# Altium PCB PCB.PcbDoc (part 2 of 2)
Units mm, origin at the board's own origin, x right, y up, seen from the top; angles counter-clockwise.
Board outline 100.25 x 90.25 mm, 2 copper layers (Top Layer, Bottom Layer); 116 components, 89 nets, 397 pads, 858 vias.
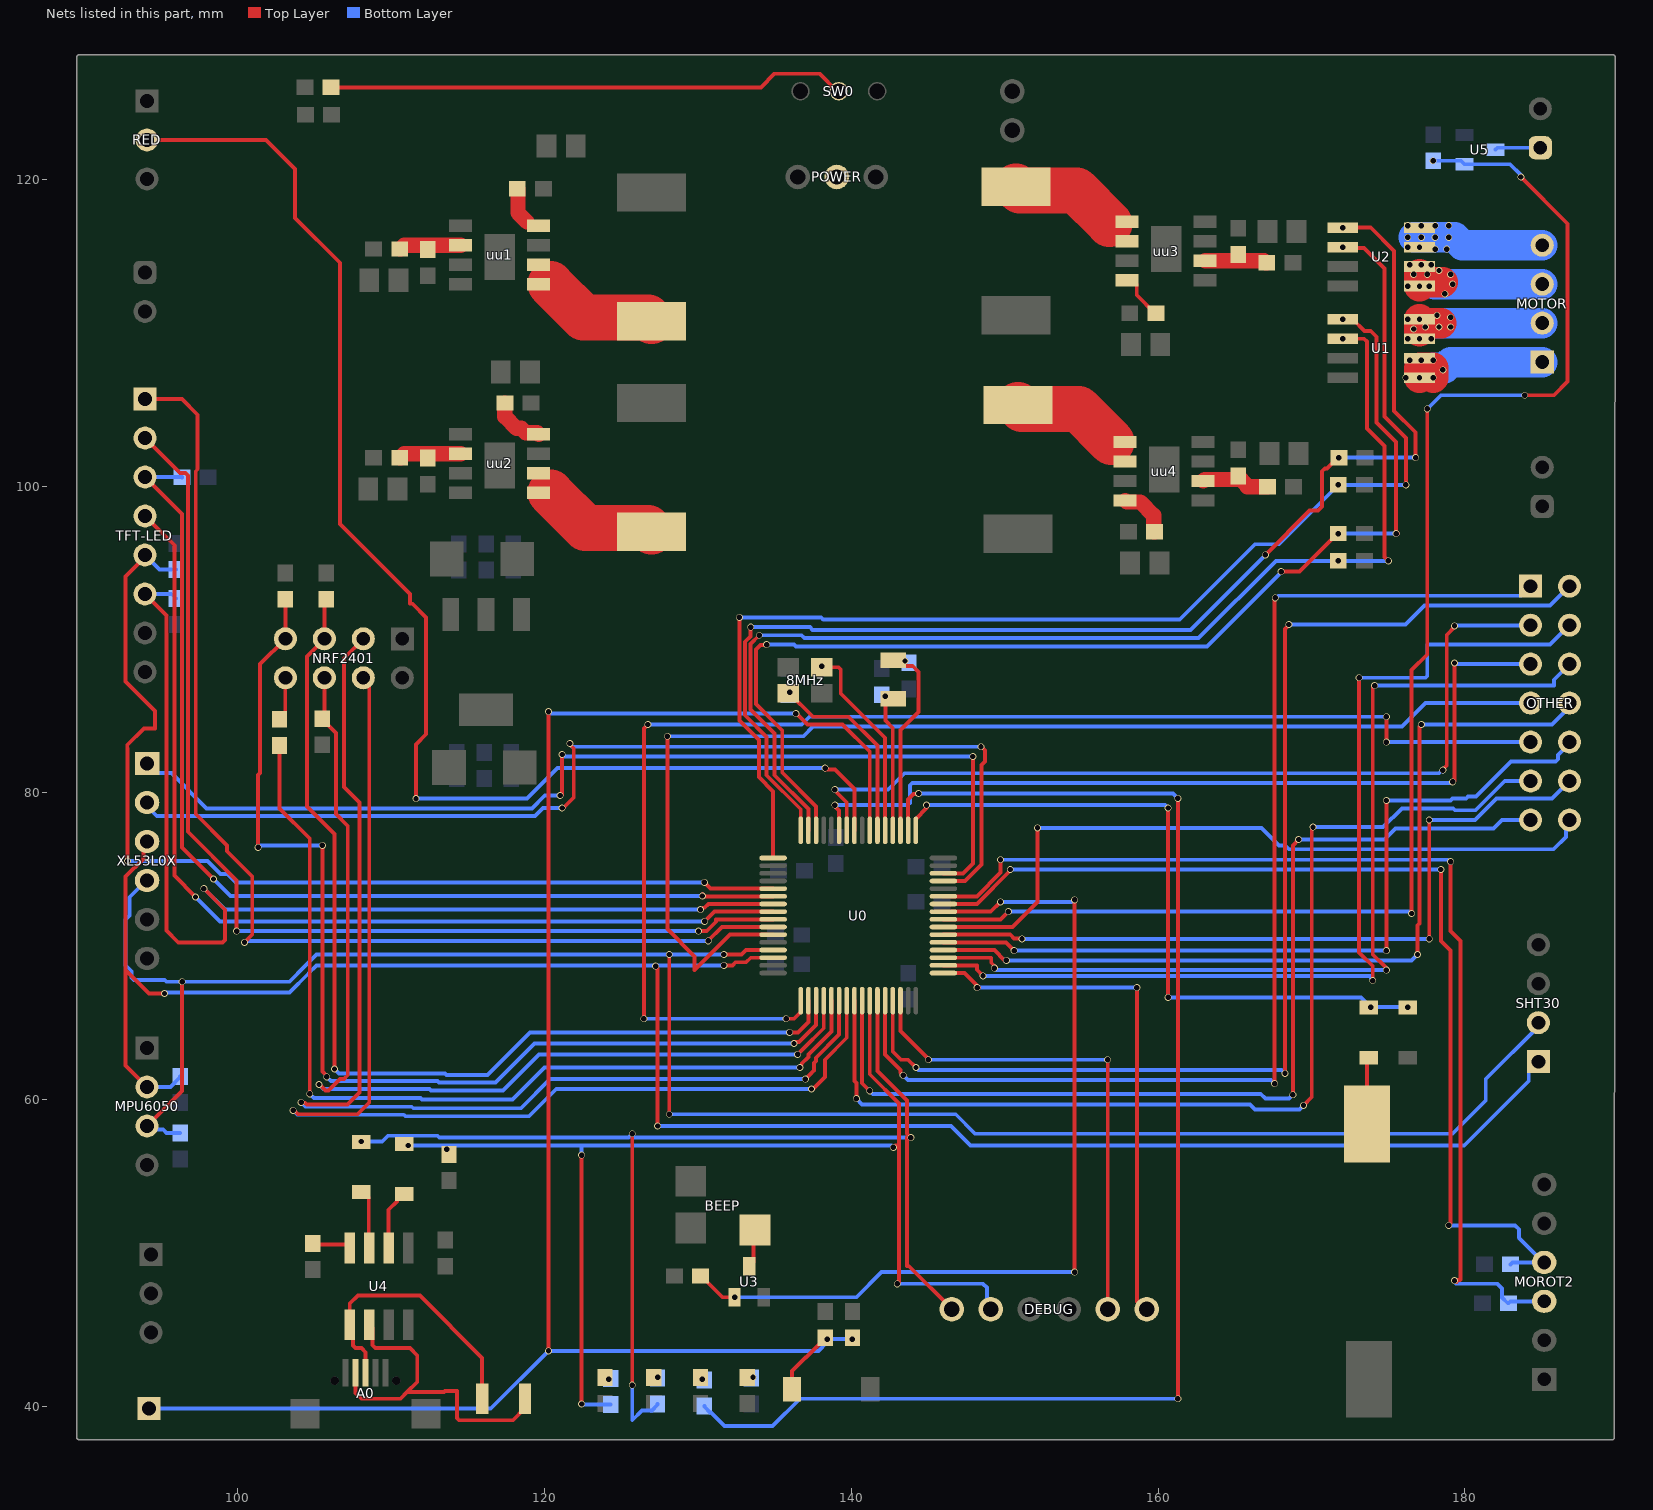
[diagram p2: the nets of this part, all layers, seen from the top]

## Via types
v1: diameter 0.45, hole 0.35, Top Layer to Bottom Layer, 852 vias
v2: diameter 3, hole 2.5, Top Layer to Bottom Layer, 4 vias
v3: diameter 2, hole 1.8, Top Layer to Bottom Layer, 2 vias

## Nets (pads, with @x,y where several pads share a name; then routed paths per layer and width w, separated by ;. In a path a pad name is that pad's centre, name@x,y a point inside that pad or via, vN(x,y) a via of type N, cw(c..) or ccw(c..) an arc to the next point about the centre after c; other vN are vias at no path point) (continued)
LED_0: CR3.2 U0.2 | length 91.2
  Top Layer w0.254: U0.2@143.712,77.559 143.712,79.577 144.058,79.923 144.359,79.923 v1@144.399,79.883 ; v1(161.29,40.513) v1(161.29,79.647)
  Bottom Layer w0.254: CR3.2@130.429,40.044 130.429,39.994 130.802,39.621 130.852,39.621 131.738,38.735 134.874,38.735 136.652,40.513 v1(161.29,40.513) ; v1(144.399,79.961) 160.976,79.961 v1(161.29,79.647)
motorA1: CR7.1 U0.14 U1.1 | length 74.5
  Top Layer w0.254: v1(134.493,89.662) 134.46,89.629 134.079,89.629 133.793,89.343 133.793,85.787 135.509,84.07 135.509,81.324 137.712,79.121 U0.14@137.712,77.559 ; v1(168.021,94.424) 169.216,94.424 171.693,96.901 v1(171.743,96.901) ; v1(172.038,110.871) 172.688,110.871 173.45,110.109 173.863,110.109 174.244,109.728 174.244,104.14 175.514,102.87 175.514,97.028 v1@175.641,96.901
  Bottom Layer w0.254: v1(134.493,89.662) 136.271,89.662 136.398,89.535 163.195,89.535 v1@168.084,94.424 ; v1(171.743,96.901) v1(175.514,96.901)
motorA2: CR8.1 U0.15 U1.2 | length 74.2
  Top Layer w0.254: v1(134.007,90.275) 133.433,89.702 133.433,85.427 135.001,83.86 135.001,81.153 137.212,78.942 U0.15@137.212,77.559 ; v1(172.038,109.601) 173.419,109.601 173.609,109.411 173.609,103.759 174.752,102.616 174.752,95.377 v1(175.006,95.123)
  Bottom Layer w0.254: v1(134.007,90.275) 136.757,90.275 136.948,90.085 162.645,90.085 167.684,95.123 v1(171.743,95.123) v1(175.006,95.123)
motorB1: CR9.2 U0.16 U2.1 | length 82.3
  Top Layer w0.254: v1(133.454,90.805) 133.43,90.781 133.43,90.199 133.079,89.848 133.079,85.063 134.493,83.649 134.493,81.153 136.712,78.934 U0.16@136.712,77.559 ; v1(166.994,95.515) 169.883,98.404 170.434,98.404 170.688,98.658 170.688,100.965 170.868,101.145 171.023,101.145 171.732,101.854 v1(171.782,101.854) ; v1(172.038,116.84) 173.863,116.84 175.387,115.316 175.387,104.902 176.784,103.505 v1(176.784,101.854)
  Bottom Layer w0.254: v1(133.454,90.805) 137.31,90.805 137.489,90.626 162.104,90.626 v1(166.994,95.515) ; v1(171.782,101.854) v1(176.784,101.854)
motorB2: CR10.2 U0.17 U2.2 | length 81.7
  Top Layer w0.254: v1(132.715,91.44) 132.715,84.709 133.985,83.439 133.985,81.026 134.912,80.099 U0.17@134.912,75.759 ; v1(172.038,115.57) 172.102,115.506 173.419,115.506 174.752,114.173 174.752,104.521 176.149,103.124 v1(176.149,100.076)
  Bottom Layer w0.254: v1(132.715,91.44) 138.049,91.44 138.176,91.313 161.417,91.313 166.306,96.203 167.869,96.203 v1(171.743,100.076) v1(176.149,100.076)
MPU6050_CLS: CR11.2 MPU6050.3 SHT30.2 U0.29 XL53L0X.4 | length 134.1
  Top Layer w0.254: MPU6050.3@94.107,58.293 96.393,60.579 v1(96.393,67.691) ; v1(128.143,59.055) v1(128.143,69.469) ; v1(131.699,69.469) 132.842,69.469 133.132,69.759 U0.29@134.912,69.759
  Bottom Layer w0.254: MPU6050.3@94.107,58.293 94.345,58.055 95.164,58.055 95.385,57.834 CR11.2@96.266,57.834 ; XL53L0X.4@94.107,74.295 94.057,74.295 92.964,73.202 92.964,72.009 92.71,71.755 92.71,68.759 93.091,68.378 93.091,67.967 93.24,67.818 95.25,67.818 95.377,67.691 v1(96.393,67.691) 103.381,67.691 103.938,68.248 103.938,68.251 105.156,69.469 v1(128.143,69.469) v1(131.699,69.469) ; v1(128.143,59.055) 146.812,59.055 148.082,57.785 179.197,57.785 181.356,59.944 181.356,61.341 184.785,64.77 SHT30.2@184.785,65.024
MPU6050_SDA: CR12.2 MPU6050.2 SHT30.1 U0.30 XL53L0X.3 | length 134.3
  Top Layer w0.254: MPU6050.2@94.107,60.833 92.71,62.23 92.71,68.453 ; XL53L0X.3@94.107,76.835 93.865,76.593 93.865,75.704 92.71,74.549 92.71,68.453 ; v1(95.25,66.929) 94.234,66.929 92.71,68.453 ; v1(127.254,68.707) 127.381,68.58 v1(127.381,58.293) ; v1(131.699,68.759) 132.259,68.759 132.461,68.961 133.156,68.961 133.454,69.259 U0.30@134.912,69.259
  Bottom Layer w0.254: MPU6050.2@94.107,60.833 95.632,60.833 96.266,61.467 CR12.2@96.266,61.517 ; v1@95.377,66.981 103.381,66.981 104.648,68.248 104.648,68.251 105.156,68.759 v1(131.699,68.759) ; v1(127.381,58.293) 146.496,58.293 147.766,57.023 179.959,57.023 184.162,61.226 184.162,61.861 SHT30.1@184.785,62.484
NetBEEP_2: BEEP.2 U3.3 | length 2.5
  Top Layer w0.254: U3.3@133.35,49.149 133.623,49.422 133.623,51.41 BEEP.2@133.731,51.518
Netbuttery_1: buttery.1 D2.1 | length 4.4
  Top Layer w0.254: buttery.1@173.609,58.42 173.609,62.611 D2.1@173.736,62.738
NetC16_2: C16.2 U4.8 | length 2.5
  Top Layer w0.254: C16.2@104.902,50.634 104.974,50.562 107.092,50.562 U4.8@107.315,50.339
NetCR3_1: CR3.1 LED1.2
  other v1: 130.302,41.783
NetCR4_1: "LED 2.2" CR4.1
  other v1: 133.604,41.91
NetCR5_1: CR5.1 LED4.2
  other v1: 127.381,41.91
NetCR6_1: "LED 3.2" CR6.1
  other v1: 124.206,41.783
NetCR20_1: CR20.1 NRF2401.8 | length 2.9
  Top Layer w0.254: CR20.1@102.743,84.797 103.116,85.17 103.116,87.495 NRF2401.8@103.124,87.503
NetD5_1: D5.1 U4.7 | length 3.9
  Top Layer w0.254: D5.1@108.077,53.975 108.232,53.975 108.56,53.647 108.56,50.364 U4.7@108.585,50.339
NetD6_2: D6.2 U4.6 | length 4
  Top Layer w0.254: U4.6@109.855,50.339 109.855,52.832 110.388,53.365 110.388,53.52 110.716,53.848 D6.2@110.871,53.848
NetL1_2: L1.2 uu1.1 uu1.2 | length 7.6
  Top Layer w3: 120.396,113.157 122.559,110.994 126.75,110.994 L1.2@127,110.744
NetL2_2: L2.2 uu2.1 uu2.2 | length 7.7
  Top Layer w3: 120.396,99.568 122.686,97.278 126.75,97.278 L2.2@127,97.028
NetL3_2: L3.2 uu3.1 uu3.2 | length 7.1
  Top Layer w3: L3.2@150.749,119.507 150.999,119.257 154.682,119.257 156.845,117.094
NetL4_2: L4.2 uu4.1 uu4.2 | length 7.1
  Top Layer w3: L4.2@150.876,105.283 151.126,105.033 154.809,105.033 156.972,102.87
NetLIGHT_1: LIGHT.1 U5.3 | length 3
  Bottom Layer w0.254: U5.3@181.991,121.92 182.118,122.047 LIGHT.1@184.912,122.047
NetMOTOR_1: MOTOR.1 U1.5 U1.6 | length 9.4
  Top Layer w2: v1(177.038,107.061) 177.038,107.696 177.927,107.696 v1(177.927,107.061)
  Bottom Layer w2: 177.927,107.696 178.689,107.696 179.07,108.077 MOTOR.1@185.039,108.077
  other v1: 176.149,107.061 178.562,107.569 176.403,108.204 177.165,108.204 177.927,108.204
NetMOTOR_2: MOTOR.2 U1.7 U1.8 | length 10
  Top Layer w2: v1(177.038,110.871) 177.038,110.109 177.546,110.617 178.435,110.617
  Bottom Layer w2: 177.419,110.617 MOTOR.2@185.039,110.617
  other v1: 176.276,109.601 177.038,109.601 177.8,109.601 176.657,110.236 177.419,110.363 178.308,110.363 179.07,110.363 176.276,110.871 179.07,110.998 178.181,111.125
NetMOTOR_3: MOTOR.3 U2.5 U2.6 | length 9.5
  Top Layer w2: v1(177.038,113.03) 177.038,113.792 177.546,113.284 178.562,113.284
  Bottom Layer w2: 178.054,113.157 MOTOR.3@185.039,113.157
  other v1: 178.689,112.522 176.276,113.03 177.673,113.03 179.197,113.157 176.657,113.792 177.546,113.792 179.07,113.792 178.308,114.046 176.403,114.427 177.165,114.427 177.8,114.427
NetMOTOR_4: MOTOR.4 U2.7 U2.8 | length 8.6
  Bottom Layer w2: 176.657,116.205 179.324,116.205 179.832,115.697 MOTOR.4@185.039,115.697
  other v1: 178.054,115.443 178.816,115.443 176.276,115.57 177.038,115.57 176.276,116.205 177.165,116.205 178.054,116.205 178.943,116.205 176.276,116.967 177.165,116.967 178.054,116.967 178.943,116.967
NetPOWER_2: POWER.2 R26.2 SW0.2 | length 33.9
  Top Layer w0.254: R26.2@106.094,125.984 134.112,125.984 135.001,126.873 137.922,126.873 139.065,125.73 SW0.2@139.192,125.73
NetR28_2: R28.2 uu1.4 | length 2.5
  Top Layer w1: R28.2@118.237,119.38 118.287,119.38 118.287,117.806 118.872,117.221
NetR29_2: R29.2 R30.1 uu1.6 | length 4.1
  Top Layer w1: R30.1@110.578,115.443 110.628,115.443 110.882,115.697 uu1.6@114.553,115.697
NetR31_2: R31.2 uu2.4 | length 3.6
  Top Layer w1: R31.2@117.426,105.41 117.426,104.521 118.188,103.759 118.505,103.759 118.786,103.478 119.534,103.478 uu2.4@119.634,103.378
NetR32_2: R32.2 R33.1 uu2.6 | length 4.1
  Top Layer w1: R33.1@110.578,101.854 110.628,101.854 110.882,102.108 uu2.6@114.553,102.108
NetR34_2: R34.2 uu3.4 | length 3.2
  Top Layer w0.254: uu3.4@157.988,113.411 158.338,113.411 158.611,113.138 158.611,112.445 159.804,111.252 R34.2@159.854,111.252
NetR35_2: R35.2 R36.1 uu3.6 | length 4.1
  Top Layer w1: uu3.6@163.069,114.681 166.906,114.681 167.033,114.554 R36.1@167.083,114.554
NetR37_2: R37.2 uu4.4 | length 3.4
  Top Layer w1: uu4.4@157.861,99.06 157.961,98.96 158.85,98.96 159.716,98.094 159.716,97.028 R37.2@159.766,97.028
NetR38_2: R38.2 R39.1 uu4.6 | length 4.7
  Top Layer w1: uu4.6@162.942,100.33 163.042,100.43 165.045,100.43 R38.2@165.227,100.612 ; R38.2@165.227,100.662 R38.2@165.227,100.612 ; R39.1@167.132,99.949 165.813,99.949 165.813,100.026 R38.2@165.227,100.612
NRF_CE: NRF2401.3 U0.38 | length 74.5
  Top Layer w0.254: v1(104.15,59.827) 104.188,59.79 104.421,59.79 104.521,59.69 107.166,59.69 107.95,60.474 107.95,79.375 106.934,80.391 106.934,88.773 NRF2401.3@108.204,90.043 ; v1(137.012,61.341) 137.414,61.743 137.414,61.758 137.572,61.916 137.572,62.401 137.702,62.532 137.702,62.738 139.212,64.248 U0.38@139.212,66.459
  Bottom Layer w0.254: v1(104.15,59.827) 104.433,59.544 111.36,59.544 111.458,59.446 118.481,59.446 120.375,61.341 v1(137.012,61.341)
NRF_CS: NRF2401.4 U0.39 | length 74.7
  Top Layer w0.254: v1(103.632,59.309) 103.685,59.309 103.939,59.055 107.823,59.055 108.59,59.822 108.59,87.117 NRF2401.4@108.204,87.503 ; v1(137.414,60.706) 137.514,60.706 138.283,61.475 138.283,62.611 139.712,64.04 U0.39@139.712,66.459
  Bottom Layer w0.254: v1(103.632,59.309) 103.915,59.026 110.842,59.026 110.94,58.928 118.999,58.928 120.777,60.706 v1(137.414,60.706)
NRF_IRQ: CR20.2 U0.37 | length 61.7
  Top Layer w0.254: CR20.2@102.743,83.097 102.743,78.994 104.712,77.025 v1(104.712,60.389) ; v1(136.652,62.103) 136.652,62.156 136.779,62.283 136.779,62.357 137.219,62.797 137.219,62.962 138.712,64.455 U0.37@138.712,66.459
  Bottom Layer w0.254: v1(104.712,60.389) 104.994,60.106 111.922,60.106 112.02,60.008 117.919,60.008 120.015,62.103 v1(136.652,62.103)
NRF_MISO: CR22.1 NRF2401.7 U0.35 | length 71.6
  Top Layer w0.254: v1(101.346,76.454) 101.346,81.165 101.473,81.292 101.473,88.392 NRF2401.7@103.124,90.043 CR22.1@103.124,92.622 ; v1(105.537,76.581) 105.537,61.83 105.819,61.549 v1(105.819,61.496) ; v1(136.271,63.669) 136.271,63.754 136.319,63.706 136.362,63.706 136.409,63.754 136.597,63.754 137.712,64.869 U0.35@137.712,66.459
  Bottom Layer w0.254: v1(101.346,76.454) 101.473,76.581 v1(105.537,76.581) ; v1(105.819,61.496) 106.102,61.213 113.029,61.213 113.127,61.115 116.812,61.115 119.366,63.669 v1(136.271,63.669)
NRF_MOSI: CR23.1 NRF2401.6 U0.36 | length 65.6
  Top Layer w0.254: v1(105.319,60.996) 105.342,60.996 105.733,60.605 105.944,60.605 106.68,61.341 106.934,61.341 107.188,61.595 107.188,77.851 106.426,78.613 106.426,83.897 105.537,84.786 CR23.1@105.537,84.836 105.664,84.963 NRF2401.6@105.664,87.503 ; v1(136.512,62.962) 136.865,63.315 138.212,64.662 U0.36@138.212,66.459
  Bottom Layer w0.254: v1(105.319,60.996) 105.602,60.713 112.529,60.713 112.627,60.615 117.312,60.615 119.659,62.962 v1(136.512,62.962)
NRF_SCK: CR21.1 NRF2401.5 U0.34 | length 65.7
  Top Layer w0.254: CR21.1@105.791,92.622 105.664,92.495 NRF2401.5@105.664,90.043 104.521,88.9 104.521,79.121 106.328,77.314 v1(106.328,62.005) ; v1(135.99,64.389) 136.525,64.389 137.212,65.076 U0.34@137.212,66.459
  Bottom Layer w0.254: v1(106.328,62.005) 106.611,61.722 113.538,61.722 113.636,61.624 116.303,61.624 119.068,64.389 v1(135.99,64.389)
NRST: "K REST.2" CC0.2 CON0.1 CR0.2 U0.7 | length 121
  Top Layer w0.254: v1@120.269,43.561 v1(120.269,43.639) v1(120.269,85.295) ; 136.144,41.148 136.144,42.329 137.012,43.197 137.061,43.197 138.303,44.439 CC0.2@138.303,44.489 ; v1@136.398,85.09 136.525,85.09 137.16,84.455 139.446,84.455 141.212,82.689 U0.7@141.212,77.559
  Bottom Layer w0.254: CON0.1@94.234,39.878 116.508,39.878 v1(120.269,43.639) 137.873,43.639 138.43,44.196 v1(138.43,44.401) 140.003,44.401 v1@140.081,44.323 ; v1@120.269,85.217 120.318,85.168 v1(136.398,85.168)
  other v1: 140.081,44.401
OCS_32_IN: 32KHz.2 CC3.2 U0.3 | length 13.6
  Top Layer w0.254: 32KHz.2@142.05,88.273 142.423,88.646 32KHz.2@142.748,88.646 143.121,88.273 144.01,88.273 144.399,87.884 144.399,85.277 143.212,84.09 U0.3@143.212,77.559
  other v1: 143.51,88.597
OCS_32_OUT: 32KHz.1 CC4.2 U0.4 | length 9.1
  Top Layer w0.254: U0.4@142.712,77.559 142.712,84.237 142.24,84.709 142.24,85.773 142.613,86.146 32KHz.1@142.748,86.146
  other v1: 142.212,86.311
OCS_IN: 8MHz.1 CC1.2 U0.5 | length 13
  Top Layer w0.254: 8MHz.1@138.09,88.187 139.17,88.187 139.319,88.038 139.319,86.487 142.212,83.594 U0.5@142.212,77.559
  other v1: 138.09,88.265
OCS_OUT: 8MHz.2 CC2.2 U0.6 | length 12.8
  Top Layer w0.254: 8MHz.2@135.89,86.487 135.99,86.487 137.514,84.963 139.827,84.963 141.712,83.078 U0.6@141.712,77.559
  other v1: 135.99,86.565
PA5: CR15.1 TFT-LED.5 U0.21 | length 67.7
  Top Layer w0.254: v1(92.837,75.565) 92.837,82.882 92.815,82.904 92.815,83.114 93.902,84.201 94.615,84.201 94.615,85.344 92.71,87.249 92.71,94.107 93.97,95.367 TFT-LED.5@93.97,95.504 ; v1(130.429,74.168) 130.838,73.759 U0.21@134.912,73.759
  Bottom Layer w0.254: v1(92.837,75.565) 98.044,75.565 98.888,74.721 99.359,74.721 99.913,74.168 v1(130.429,74.168) ; TFT-LED.5@93.97,95.504 94.908,94.566 CR15.1@96.012,94.566
PA6: CR17.1 TFT-LED.3 U0.22 | length 67.6
  Top Layer w0.254: TFT-LED.3@93.98,100.584 96.393,98.171 96.393,76.431 v1(98.438,74.386) ; v1(130.302,73.279) 130.302,73.406 130.449,73.259 U0.22@134.912,73.259
  Bottom Layer w0.254: TFT-LED.3@93.98,100.584 96.374,100.584 CR17.1@96.393,100.565 ; v1(98.438,74.386) 99.545,73.279 v1(130.302,73.279)
PA7: CR14.1 TFT-LED.6 U0.23 | length 70.6
  Top Layer w0.254: TFT-LED.6@93.97,92.964 95.377,91.557 95.377,71.021 96.139,70.259 99.032,70.259 99.181,70.408 99.181,72.386 v1(97.809,73.757) ; v1(130.175,72.39) 130.228,72.39 130.355,72.517 130.449,72.517 130.691,72.759 U0.23@134.912,72.759
  Bottom Layer w0.254: TFT-LED.6@93.97,92.964 95.719,92.964 CR14.1@96.012,92.671 ; v1(97.809,73.757) 99.176,72.39 v1(130.175,72.39)
PA8: OTHER.13 U0.41 | length 66.4
  Top Layer w0.254: U0.41@140.712,66.459 140.712,61.079 v1(141.212,60.579) ; v1(168.783,60.325) 168.783,76.581 v1(169.164,76.962)
  Bottom Layer w0.254: v1(141.212,60.579) 141.409,60.383 166.693,60.383 167.005,60.071 168.529,60.071 v1(168.783,60.325) ; v1(169.164,76.962) 174.752,76.962 175.465,77.675 181.861,77.675 182.418,78.232 OTHER.13@184.277,78.232
PA9: CR6.2 CR24.2 D6.1 DEBUG.2 U0.42 | length 77.6
  Top Layer w0.254: v1(122.428,40.171) v1(122.428,56.388) ; U0.42@141.212,66.459 141.212,61.662 143.129,59.745 143.129,57.023 ; v1(142.748,56.896) 142.875,57.023 143.129,57.023 ; v1(143.002,48.006) 143.129,48.133 143.129,57.023
  Bottom Layer w0.254: v1(111.125,57.023) 122.428,57.023 ; v1(122.428,40.171) 122.467,40.132 CR6.2@124.333,40.132 ; v1(122.428,56.388) 122.428,57.023 ; v1(142.748,56.896) 142.621,57.023 122.428,57.023 ; v1(143.002,48.006) 148.59,48.006 148.844,47.752 148.844,46.609 DEBUG.2@149.098,46.355
  other v1: 113.637,56.769
PA10: CR5.2 D5.2 DEBUG.1 U0.43 | length 79.2
  Top Layer w0.254: v1(125.73,41.402) v1(125.73,57.785) ; U0.43@141.712,66.459 141.712,61.869 143.629,59.952 143.629,57.785 143.883,57.531 v1(143.891,57.531) ; 143.629,57.531 143.629,49.149 143.764,49.149 DEBUG.1@146.558,46.355
  Bottom Layer w0.254: v1(108.077,57.277) 109.437,57.277 109.818,57.658 113.03,57.658 113.157,57.531 125.476,57.531 v1(125.73,57.785) ; v1(125.73,41.402) 125.73,39.116 126.362,39.748 127.008,39.748 127.381,40.121 CR5.2@127.381,40.171 ; 125.73,57.531 v1(143.891,57.531)
PA11: OTHER.1 U0.44 | length 78.4
  Top Layer w0.254: U0.44@142.212,66.459 142.212,62.948 143.22,61.94 143.22,61.758 v1(143.383,61.595) ; v1(167.601,61.048) 167.601,92.671 v1(167.64,92.71)
  Bottom Layer w0.254: v1(143.383,61.595) 143.701,61.277 167.372,61.277 v1(167.601,61.048) ; v1(167.64,92.71) 167.693,92.71 167.832,92.849 183.654,92.849 OTHER.1@184.277,93.472
PA12: OTHER.2 U0.45 | length 78.1
  Top Layer w0.254: U0.45@142.712,66.459 142.712,63.155 143.256,62.611 143.715,62.611 v1(144.223,62.103) ; v1(168.275,61.722) 168.275,90.678 v1@168.529,90.932
  Bottom Layer w0.254: v1(144.223,62.103) 144.374,61.951 168.046,61.951 v1(168.275,61.722) ; v1(168.529,90.971) 176.132,90.971 177.363,92.202 185.547,92.202 OTHER.2@186.817,93.472
PA13: DEBUG.5 U0.46 | length 32.5
  Top Layer w0.254: U0.46@143.212,66.459 143.212,64.473 145.034,62.651 v1(145.034,62.611) ; DEBUG.5@156.718,46.355 v1(156.718,62.611)
  Bottom Layer w0.254: v1(145.034,62.611) v1(156.718,62.611)
PA14: DEBUG.6 U0.49 | length 34.6
  Top Layer w0.254: U0.49@146.012,68.259 147.387,68.259 148.336,67.31 v1(148.209,67.31) ; v1(158.623,67.31) 158.623,46.863 159.131,46.355 DEBUG.6@159.258,46.355
  Bottom Layer w0.254: v1(148.209,67.31) v1(158.623,67.31)
PA15: OTHER.4 U0.50 | length 65.1
  Top Layer w0.254: U0.50@146.012,68.759 148.189,68.759 148.189,68.473 v1(148.59,68.072) ; v1(173.101,87.503) 173.101,69.596 173.99,68.707 v1(173.99,67.769)
  Bottom Layer w0.254: v1(148.59,68.072) 173.863,68.072 173.863,67.949 173.99,67.822 v1(173.99,67.769) ; v1(173.101,87.503) 177.419,87.503 177.546,87.63 177.546,89.662 185.547,89.662 OTHER.4@186.817,90.932
PB0: TFT-LED.1 U0.26 | length 74.9
  Top Layer w0.254: TFT-LED.1@93.98,105.664 96.393,105.664 97.409,104.648 97.409,101.092 97.282,100.965 97.282,78.613 99.314,76.581 99.314,76.2 100.965,74.549 100.965,70.767 v1(100.457,70.259) ; v1(130.683,70.358) 130.683,70.37 131.572,71.259 U0.26@134.912,71.259
  Bottom Layer w0.254: v1@100.457,70.358 v1(130.683,70.358)
PB1: OTHER.7 U0.27 | length 79.2
  Top Layer w0.254: v1(128.016,83.693) 128.016,71.12 129.794,69.342 129.794,68.453 132.1,70.759 U0.27@134.912,70.759
  Bottom Layer w0.254: v1(128.016,83.693) 136.885,83.693 137.52,84.328 175.895,84.328 177.419,85.852 OTHER.7@184.277,85.852
PB3: OTHER.14 U0.55 | length 48.2
  Top Layer w0.254: U0.55@146.012,71.259 150.507,71.259 152.146,72.898 v1(152.146,77.724)
  Bottom Layer w0.254: v1(152.146,77.724) 166.751,77.724 167.894,76.581 168.275,76.581 168.529,76.327 185.779,76.327 186.579,77.126 186.579,77.994 OTHER.14@186.817,78.232
PB4: R25.2 U0.56 U5.1 | length 94.8
  Top Layer w0.254: U0.56@146.012,71.759 149.741,71.759 v1(150.241,72.259) ; v1(176.53,72.136) 176.53,88.011 177.546,89.027 v1(177.546,105.029) ; v1(183.642,120.142) 186.69,117.094 186.69,106.807 185.801,105.918 v1(183.896,105.918)
  Bottom Layer w0.254: v1(150.241,72.259) 176.407,72.259 v1(176.53,72.136) ; v1(177.546,105.029) 178.435,105.918 v1(183.896,105.918) ; v1(177.927,121.197) 179.744,121.197 U5.1@179.971,120.97 182.941,120.97 183.642,120.269 v1(183.642,120.142)
PB5: R13.2 U0.57 U3.1 | length 58.8
  Top Layer w0.254: R13.2@130.175,48.514 130.225,48.514 131.61,47.129 v1(132.4,47.129) ; U0.57@146.012,72.259 149.094,72.259 v1(149.733,72.898) ; v1(154.559,48.768) v1(154.559,73.025)
  Bottom Layer w0.254: v1(132.4,47.129) 140.347,47.129 141.986,48.768 v1(154.559,48.768) ; v1(149.733,72.898) 154.379,72.898 154.506,73.025 v1(154.559,73.025)
PB6: CR13.2 MOROT2.4 U0.58 | length 66.6
  Top Layer w0.254: U0.58@146.012,72.759 148.197,72.759 v1@150.368,74.93 ; v1(178.435,75.008) 178.435,70.358 179.07,69.723 179.07,51.943 v1(178.943,51.816)
  Bottom Layer w0.254: v1(150.368,75.008) 178.357,75.008 v1@178.435,74.93 ; v1(178.943,51.816) 183.261,51.816 183.515,51.562 183.515,51.004 MOROT2.4@185.116,49.403 ; CR13.2@182.968,49.276 183.095,49.403 MOROT2.4@185.116,49.403 ; MOROT2.4@185.166,49.403 MOROT2.4@185.116,49.403
PB7: CR16.2 MOROT2.3 U0.59 | length 69.2
  Top Layer w0.254: U0.59@146.012,73.259 148.189,73.259 149.733,74.803 v1@149.733,75.565 ; v1(179.07,75.516) 179.07,70.993 179.705,70.358 179.705,48.282 179.672,48.249 179.542,48.249 179.451,48.158 v1@179.451,48.133
  Bottom Layer w0.254: v1(149.733,75.643) 178.865,75.643 v1@179.07,75.438 ; v1@179.324,48.133 179.451,48.006 182.118,48.006 182.418,47.706 182.418,47.109 182.791,46.736 CR16.2@182.841,46.736 182.968,46.863 MOROT2.3@185.166,46.863
  other v1: 179.324,48.211
PB8: U0.61 XL53L0X.2 | length 70.1
  Top Layer w0.254: v1@121.158,78.934 121.92,79.696 121.92,82.91 121.666,83.164 v1(121.666,83.217) ; U0.61@146.012,74.259 147.411,74.259 148.485,75.333 148.485,81.81 148.717,82.042 148.717,82.782 148.541,82.959 148.491,82.959 v1@148.463,82.931
  Bottom Layer w0.254: XL53L0X.2@94.107,79.375 94.107,79.121 94.742,78.486 119.38,78.486 119.906,79.012 v1(121.158,79.012) ; v1@121.666,83.139 121.796,83.009 v1(148.463,83.009)
PB9: U0.62 XL53L0X.1 | length 67.2
  Top Layer w0.254: v1@121.031,79.756 121.158,79.883 v1(121.158,82.501) ; U0.62@146.012,74.759 147.293,74.759 147.934,75.4 v1@147.934,82.296
  Bottom Layer w0.254: XL53L0X.1@94.107,81.915 94.73,81.292 95.697,81.292 97.995,78.994 119.19,78.994 120.03,79.834 v1(121.031,79.834) ; v1@121.158,82.423 121.207,82.374 v1(147.934,82.374)
PB12: OTHER.9 U0.33 | length 89.8
  Top Layer w0.254: v1(126.492,65.278) 126.492,84.201 v1(126.746,84.455) ; v1(135.763,65.278) 136.281,65.278 136.712,65.709 U0.33@136.712,66.459 ; v1(174.879,83.312) v1(174.879,84.963)
  Bottom Layer w0.254: v1(126.492,65.278) v1(135.763,65.278) ; v1(126.746,84.455) 136.779,84.455 137.287,84.963 v1(174.879,84.963) ; v1(174.879,83.312) OTHER.9@184.277,83.312
PC1: RED.2 U0.9 | length 88
  Top Layer w0.254: RED.2@94.107,122.555 101.854,122.555 103.759,120.65 103.759,117.475 106.68,114.554 106.68,97.536 111.252,92.964 111.252,92.329 111.407,92.329 112.296,91.44 112.296,83.82 111.633,83.157 v1(111.633,79.629) ; v1@138.303,81.534 138.938,81.534 140.212,80.26 U0.9@140.212,77.559
  Bottom Layer w0.254: v1(111.633,79.629) 118.872,79.629 120.855,81.612 v1(138.303,81.612)
PC2: OTHER.3 U0.10 | length 57.7
  Top Layer w0.254: v1@138.938,80.137 139.712,79.363 U0.10@139.712,77.559 ; v1(178.562,81.485) 178.562,81.538 178.816,81.792 178.816,90.297 v1@179.324,90.805
  Bottom Layer w0.254: v1(138.938,80.215) 142.416,80.215 143.481,81.28 178.308,81.28 178.473,81.445 178.524,81.445 v1@178.562,81.407 ; v1(179.324,90.883) 179.349,90.907 184.252,90.907 OTHER.3@184.277,90.932
PC3: OTHER.5 U0.11 | length 55.9
  Top Layer w0.254: v1@138.938,79.121 139.212,78.847 U0.11@139.212,77.559 ; v1@179.197,80.645 179.324,80.772 v1(179.324,88.47)
  Bottom Layer w0.254: v1(138.938,79.199) 143.686,79.199 143.835,79.348 143.835,80.496 143.984,80.645 v1@179.07,80.645 ; v1@179.324,88.392 OTHER.5@184.277,88.392
  other v1: 179.197,80.723
PC4: TFT-LED.4 U0.24 | length 64.8
  Top Layer w0.254: TFT-LED.4@93.98,98.044 95.885,96.139 95.885,74.604 v1(97.27,73.218) ; v1(130.449,71.628) 131.08,72.259 U0.24@134.912,72.259
  Bottom Layer w0.254: v1(97.27,73.218) 98.861,71.628 v1(130.449,71.628)
PC5: TFT-LED.2 U0.25 | length 70.1
  Top Layer w0.254: TFT-LED.2@93.98,103.124 96.266,100.838 96.625,100.838 96.774,100.689 96.774,77.47 99.949,74.295 v1@99.949,71.12 ; v1(130.048,70.993) 130.584,70.993 131.191,71.6 131.191,71.759 U0.25@134.912,71.759
  Bottom Layer w0.254: v1(99.949,70.993) v1(130.048,70.993)
PC9: OTHER.11 U0.40 | length 70
  Top Layer w0.254: U0.40@140.212,66.459 140.212,61.214 140.335,61.091 v1(140.335,60.071) ; v1(169.476,59.632) 170.016,60.173 170.016,77.687 v1(170.098,77.769) v1@170.18,77.851
  Bottom Layer w0.254: v1(140.335,60.071) 140.716,59.69 166.001,59.69 166.312,59.378 169.222,59.378 v1(169.476,59.632) ; v1(170.098,77.769) 174.67,77.769 175.895,78.994 179.222,78.994 179.349,78.867 180.692,78.867 182.597,80.772 OTHER.11@184.277,80.772
PC10: OTHER.6 U0.51 | length 61.9
  Top Layer w0.254: U0.51@146.012,69.259 149.126,69.259 149.126,68.933 v1@149.406,68.653 ; v1(174.117,86.995) 173.99,86.868 173.99,69.469 174.879,68.58 v1(174.879,68.453)
  Bottom Layer w0.254: v1(149.333,68.58) 149.46,68.453 v1(174.879,68.453) ; v1(174.117,86.995) 185.801,86.995 185.801,87.376 OTHER.6@186.817,88.392
PC11: OTHER.8 U0.52 | length 56.8
  Top Layer w0.254: U0.52@146.012,69.759 149.333,69.759 150.004,69.088 v1(150.114,69.088) ; v1(176.911,69.469) 176.911,71.374 177.038,71.501 177.038,84.328 v1(177.165,84.455)
  Bottom Layer w0.254: v1(150.114,69.088) 176.53,69.088 v1(176.911,69.469) ; v1(177.165,84.455) 185.674,84.455 186.817,85.598 OTHER.8@186.817,85.852
PC12: OTHER.10 U0.53 | length 52.6
  Top Layer w0.254: U0.53@146.012,70.259 150.086,70.259 v1(150.622,69.723) ; v1(174.879,69.723) v1(174.879,79.502)
  Bottom Layer w0.254: v1(150.622,69.723) v1(174.879,69.723) ; v1(174.879,79.502) 179.07,79.502 179.197,79.629 180.086,79.629 180.213,79.756 180.721,79.756 183.007,82.042 185.906,82.042 186.055,82.191 186.055,82.475 186.817,83.237 OTHER.10@186.817,83.312
PD2: OTHER.12 U0.54 | length 49.7
  Top Layer w0.254: U0.54@146.012,70.759 150.368,70.759 150.604,70.523 151.092,70.523 v1(151.13,70.485) ; v1(177.673,70.485) v1(177.673,78.232)
  Bottom Layer w0.254: v1(151.13,70.485) v1(177.673,70.485) ; v1(177.673,78.232) 180.657,78.232 182.054,79.629 185.674,79.629 OTHER.12@186.817,80.772
USB+: A0.3 D+.1 U4.1 | length 18.4
  Top Layer w0.254: A0.3@108.346,42.213 108.346,43.546 108.077,43.815 107.696,43.815 107.538,43.973 107.538,45.116 U4.1@107.315,45.339 107.321,45.345 107.321,46.72 107.845,47.244 111.887,47.244 115.951,43.18 D+.1@115.951,40.513
USB-: A0.2 D-.1 U4.2 | length 22.8
  Top Layer w0.254: A0.2@107.696,42.213 107.696,40.894 108.077,40.513 110.617,40.513 111.062,40.958 ; U4.2@108.585,45.339 108.808,45.116 108.808,44.003 108.996,43.815 111.237,43.815 111.721,43.331 111.721,41.617 111.062,40.958 ; D-.1@118.745,40.513 118.745,39.913 117.948,39.116 114.449,39.116 114.3,39.265 114.3,41.021 113.538,41.021 113.475,40.958 111.062,40.958
VBAT: D1.2 D2.2 U0.1 | length 45.9
  Top Layer w0.254: U0.1@144.212,77.559 144.212,78.309 144.907,79.004 v1@144.907,79.121 ; v1(160.655,66.675) v1(160.655,79.012)
  Bottom Layer w0.254: v1(144.907,79.199) 160.468,79.199 v1(160.655,79.012) ; v1(160.655,66.675) 173.228,66.675 v1(173.863,66.04) v1(176.276,66.04)
pads on no net: A0.0 A0.4 A0.6 A0.7 BEEP. MOROT2.5 SW0.3 U4.4 uu1.9 uu2.9 uu3.9 uu4.9
copper on no net:
  other v2: 115.162,63.973 164.162,63.973 115.162,122.473 164.162,122.473

## Polygon pours and split planes (outlines as drawn)
GND on Bottom Layer "Top Layer-No Net1" (solid, pour order 7): 89.535,37.973 ccw(c89.662,37.973) 89.662,37.846 189.611,37.846 ccw(c189.611,37.973) 189.738,37.973 189.789,127.973 ccw(c189.662,127.973) 189.789,127.973 ccw(c189.662,127.973) 189.636,128.098 189.637,128.098 ccw(c189.611,127.973) 189.611,128.1 89.662,128.1 ccw(c89.662,127.973) 89.535,127.973
GND on Bottom Layer "Bottom Layer-No Net" (solid, pour order 6): 176.022,114.808
GND on Top Layer "Top Layer-No Net" (solid, pour order 5): 89.535,37.973 ccw(c89.662,37.973) 89.662,37.846 189.611,37.846 ccw(c189.611,37.973) 189.738,37.973 189.789,127.973 ccw(c189.662,127.973) 189.789,127.973 ccw(c189.662,127.973) 189.636,128.098 189.637,128.098 ccw(c189.611,127.973) 189.611,128.1 89.662,128.1 ccw(c89.662,127.973) 89.535,127.973

## Keep-outs
Keep-Out Layer:
  lines w0.254: 189.611,127.973 89.662,127.973 89.662,37.973 189.611,37.973 189.662,127.973 ; 133.985,116.776 133.985,91.821 144.018,91.821 ; 133.985,116.776 133.985,116.776 ; 133.985,116.776 144.018,116.776 ; 144.018,91.821 144.018,116.777 ; 144.018,91.821 144.018,91.821 ; 144.018,116.776 144.018,116.777

## Other copper
Top Layer:
  rectangle net 5V_SYS: 113.792,96.393 114.681,98.425
  rectangle net 5V_SYS: 113.411,90.551 114.681,94.742
  rectangle net 3V3: 113.157,82.042 116.967,83.566
  rectangle net 5V_motor: 148.59,124.46 186.309,127.381
  rectangle net 5V_motor: 162.179,101.815 167.894,104.775
  rectangle net 5V_motor: 162.306,116.078 167.767,119.634
  rectangle net 5V_SYS: 110.109,111.887 115.162,114.427
  rectangle net 5V_SYS: 109.855,98.298 114.935,100.838
  rectangle net NetMOTOR_4: 175.895,115.101 179.324,117.475
  rectangle net NetMOTOR_3: 176.149,112.395 179.197,114.427
Bottom Layer:
  rectangle net GND: 137.287,68.326 143.891,75.057
  rectangle net 5V_SYS: 112.776,95.631 114.935,98.425
  rectangle net 3V3: 113.802,82.042 118.364,83.439
  rectangle net 5V_SYS: 110.236,114.427 114.681,117.221
  rectangle net 5V_SYS: 110.236,117.094 135.001,120.523
  rectangle net 5V_SYS: 133.858,117.094 143.256,118.999
  rectangle net NetPOWER_2: 137.795,119.253 140.462,127
  rectangle net 5V_SYS: 145.161,121.412 152.146,124.206
  rectangle net 5V_SYS: 92.583,51.689 97.79,53.721
  rectangle net 5V_motor: 158.496,100.838 168.021,104.775
  rectangle net 5V_motor: 159.258,115.951 167.64,119.634
  rectangle net 5V_motor: 157.226,100.838 161.925,127.381
  rectangle net 5V_motor: 148.717,124.587 161.925,127.381
  rectangle net 5V_SYS: 140.716,118.618 147.955,122.047
  rectangle net 5V_SYS: 143.383,118.872 147.955,127.127
  rectangle net 5V_SYS: 110.109,100.457 113.538,109.855
  rectangle net 5V_SYS: 92.837,108.077 114.554,112.649
  rectangle net 5V_SYS: 110.236,112.014 114.681,114.427
  rectangle net 5V_SYS: 110.109,98.298 114.935,100.711
  rectangle net NetMOTOR_4: 175.895,115.189 179.324,117.348
  rectangle net NetMOTOR_1: 176.149,106.553 178.816,108.839
  rectangle net NetMOTOR_2: 176.022,109.474 179.324,111.506
  rectangle net NetMOTOR_3: 175.895,112.268 179.451,114.554

## Silkscreen, mask and mechanical layers (free items; w line width, h text height)
Top Overlay:
  text "开" at 144.78,125.476 h3
  text "关" at 131.699,125.349 h3
  text "BAT" at 137.668,121.412 h2.5
  text "5V" at 142.113,121.412 h2.5
  text "GND" at 132.08,121.285 h2.5
  text "Robot Driver V3" at 151.384,85.295 h3
  text "2020.8.18" at 151.511,81.993 h3
  text "@TianXiaohua" at 151.511,78.437 h3
  text "3V3" at 150.495,47.614 h2 r30
  text "CLK" at 159.385,47.625 h2 r30
  text "RXD" at 147.447,47.498 h2 r30
  text "GND" at 153.162,47.498 h2 r30
  text "SWD" at 155.829,47.498 h2 r30
  text "TXD" at 144.399,47.371 h2 r30
Bottom Overlay:
  text "GND" at 98.679,124.587 h1.52
  text "5V" at 188.849,124.079 h1.52
  text "PC1" at 98.444,122.047 h1.52
  text "PB4" at 188.976,121.539 h1.52
  text "3V3" at 98.444,119.253 h1.52
  text "M1B" at 189.23,115.189 h1.52
  text "GND" at 98.552,113.284 h1.52
  text "M1A" at 189.357,112.649 h1.52
  text "5V" at 97.409,110.871 h1.52
  text "M2B" at 189.23,110.109 h1.52
  text "M2A" at 189.23,107.569 h1.52
  text "PB0" at 98.425,105.029 h1.52
  text "PC5" at 98.933,102.616 h1.52
  text "5V" at 188.976,100.711 h1.52
  text "PA6" at 92.71,100.203 h1.52
  text "GND" at 189.103,98.298 h1.52
  text "PC4" at 98.044,97.614 h1.52
  text "PA5" at 92.837,95.25 h1.52
  text "PA11" at 178.562,92.71 h1.52
  text "PA12" at 182.245,92.71 h1.52
  text "PA7" at 92.837,92.456 h1.52
  text "PC2" at 178.435,90.424 h1.52
  text "P15" at 182.118,90.424 h1.52
  text "GND" at 92.964,89.916 h1.52
  text "PC3" at 178.308,87.884 h1.52
  text "PC10" at 182.118,87.884 h1.52
  text "3V3" at 92.837,87.503 h1.52
  text "PB1" at 178.308,85.471 h1.52
  text "PC11" at 182.245,85.471 h1.52
  text "PB12" at 178.435,82.931 h1.52
  text "PC12" at 182.245,82.931 h1.52
  text "PB9" at 98.171,81.534 h1.52
  text "PC9" at 178.562,80.391 h1.52
  text "PD2" at 182.245,80.264 h1.52
  text "PB8" at 98.171,78.994 h1.52
  text "PB3" at 182.245,77.724 h1.52
  text "PA8" at 178.562,77.597 h1.52
  text "SDA" at 98.298,76.327 h1.52
  text "SCL" at 98.298,73.878 h1.52
  text "GND" at 98.298,71.247 h1.52
  text "3V3" at 188.849,69.723 h1.52
  text "3V3" at 98.298,68.834 h1.52
  text "GND" at 189.103,67.183 h1.52
  text "SCL" at 189.103,64.516 h1.52
  text "GND" at 92.964,62.865 h1.52
  text "SDA" at 189.23,61.976 h1.52
  text "SDA" at 92.964,60.325 h1.52
  text "SCL" at 92.964,57.785 h1.52
  text "3V3" at 92.964,55.372 h1.52
  text "GND" at 189.103,54.102 h1.52
  text "3V3" at 93.091,49.403 h1.52
  text "PB6" at 189.103,48.895 h1.52
  text "GND" at 93.218,46.863 h1.52
  text "PB7" at 189.23,46.355 h1.52
  text "PC0" at 93.091,44.577 h1.52
  text "3V3" at 189.23,43.815 h1.52
  text "5V" at 189.103,41.402 h1.52
  text "REST" at 93.218,39.37 h1.52

## Text inside footprints (layer, text, board x,y; h text height)
8MHz: Top Overlay "*" at 140.249,90.17 h2.5 r180
NRF2401: Top Overlay "2" at 109.474,88.392 h2.5 r180; Top Overlay "1" at 110.363,90.551 h2.5 r180; Top Overlay "7" at 103.632,90.805 h2.5 r180; Top Overlay "8" at 103.632,88.388 h2.5 r180
OTHER: Top Overlay "13" at 183.769,76.2 h1.27 r270; Top Overlay "14" at 186.309,76.2 h1.27 r270; Top Overlay "1" at 183.769,96.52 h1.27 r270; Top Overlay "2" at 186.309,96.52 h1.27 r270